# Altium PCB main.PcbDoc
Units mm, origin at the board's own origin, x right, y up, seen from the top; angles counter-clockwise.
Board outline 44.07 x 68.45 mm, 2 copper layers (Top Layer, Bottom Layer), stack 1.271 mm thick; 46 components, 48 nets, 172 pads, 58 vias.
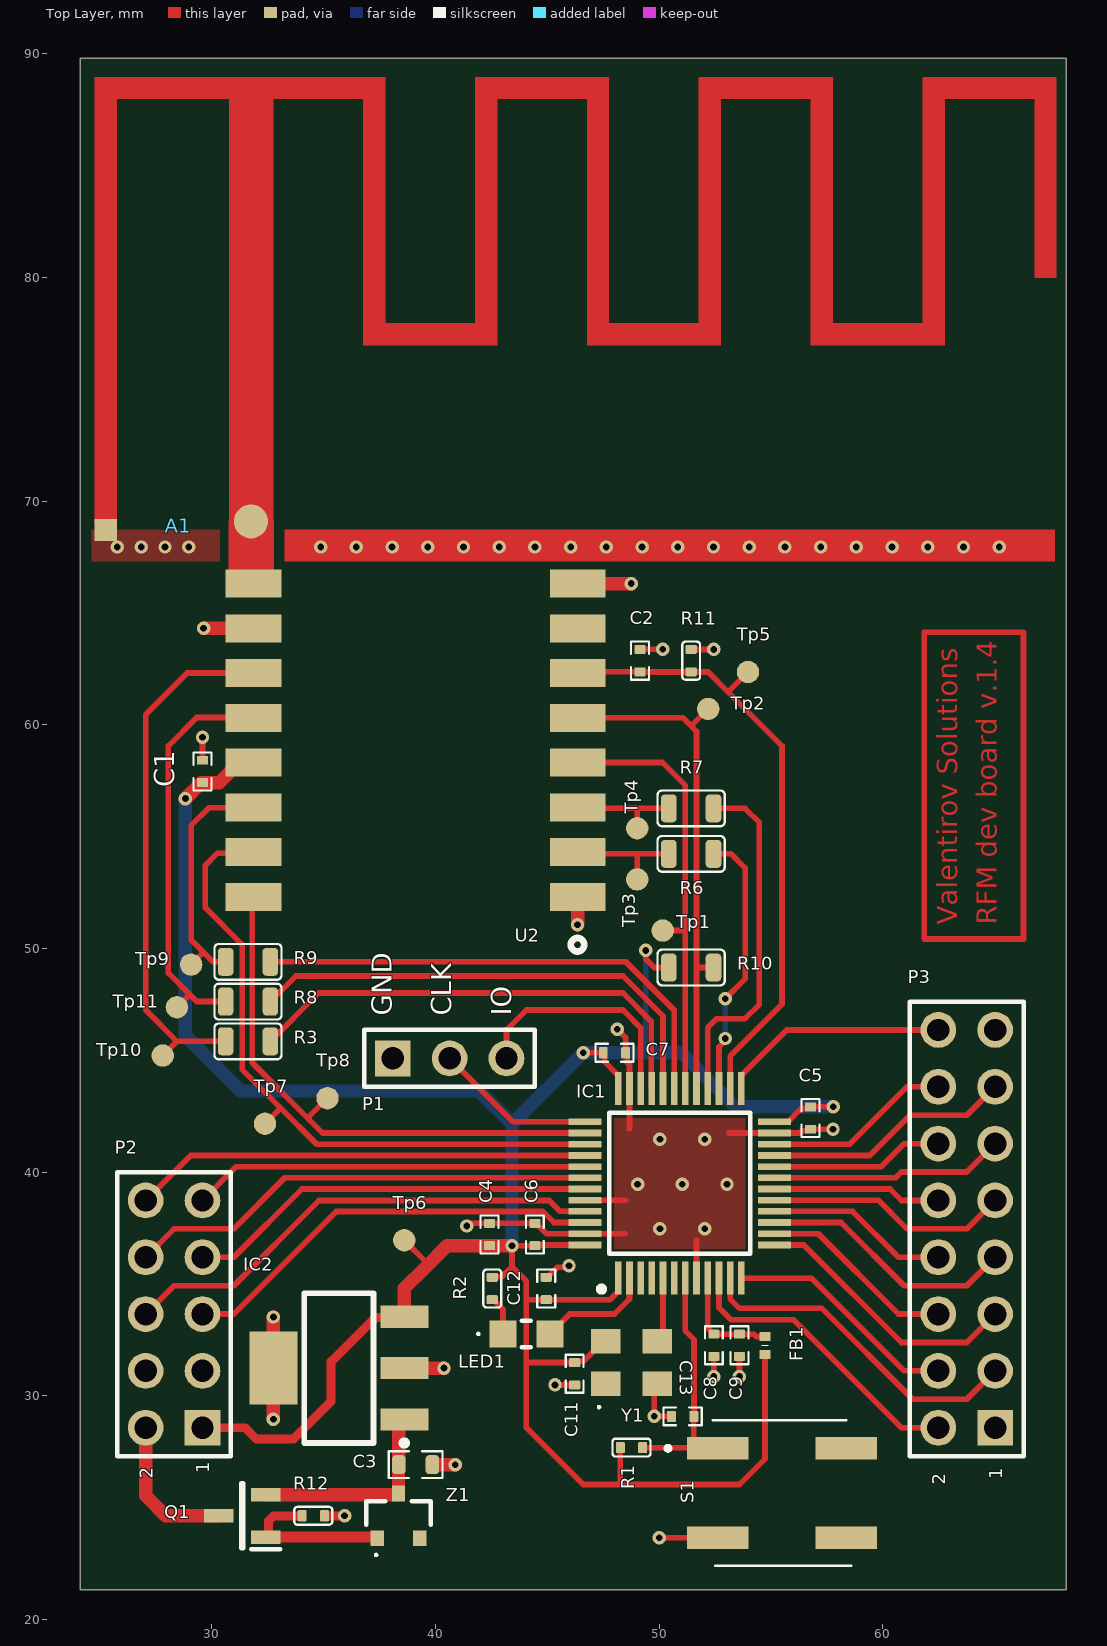
[diagram p0: Top Layer view]
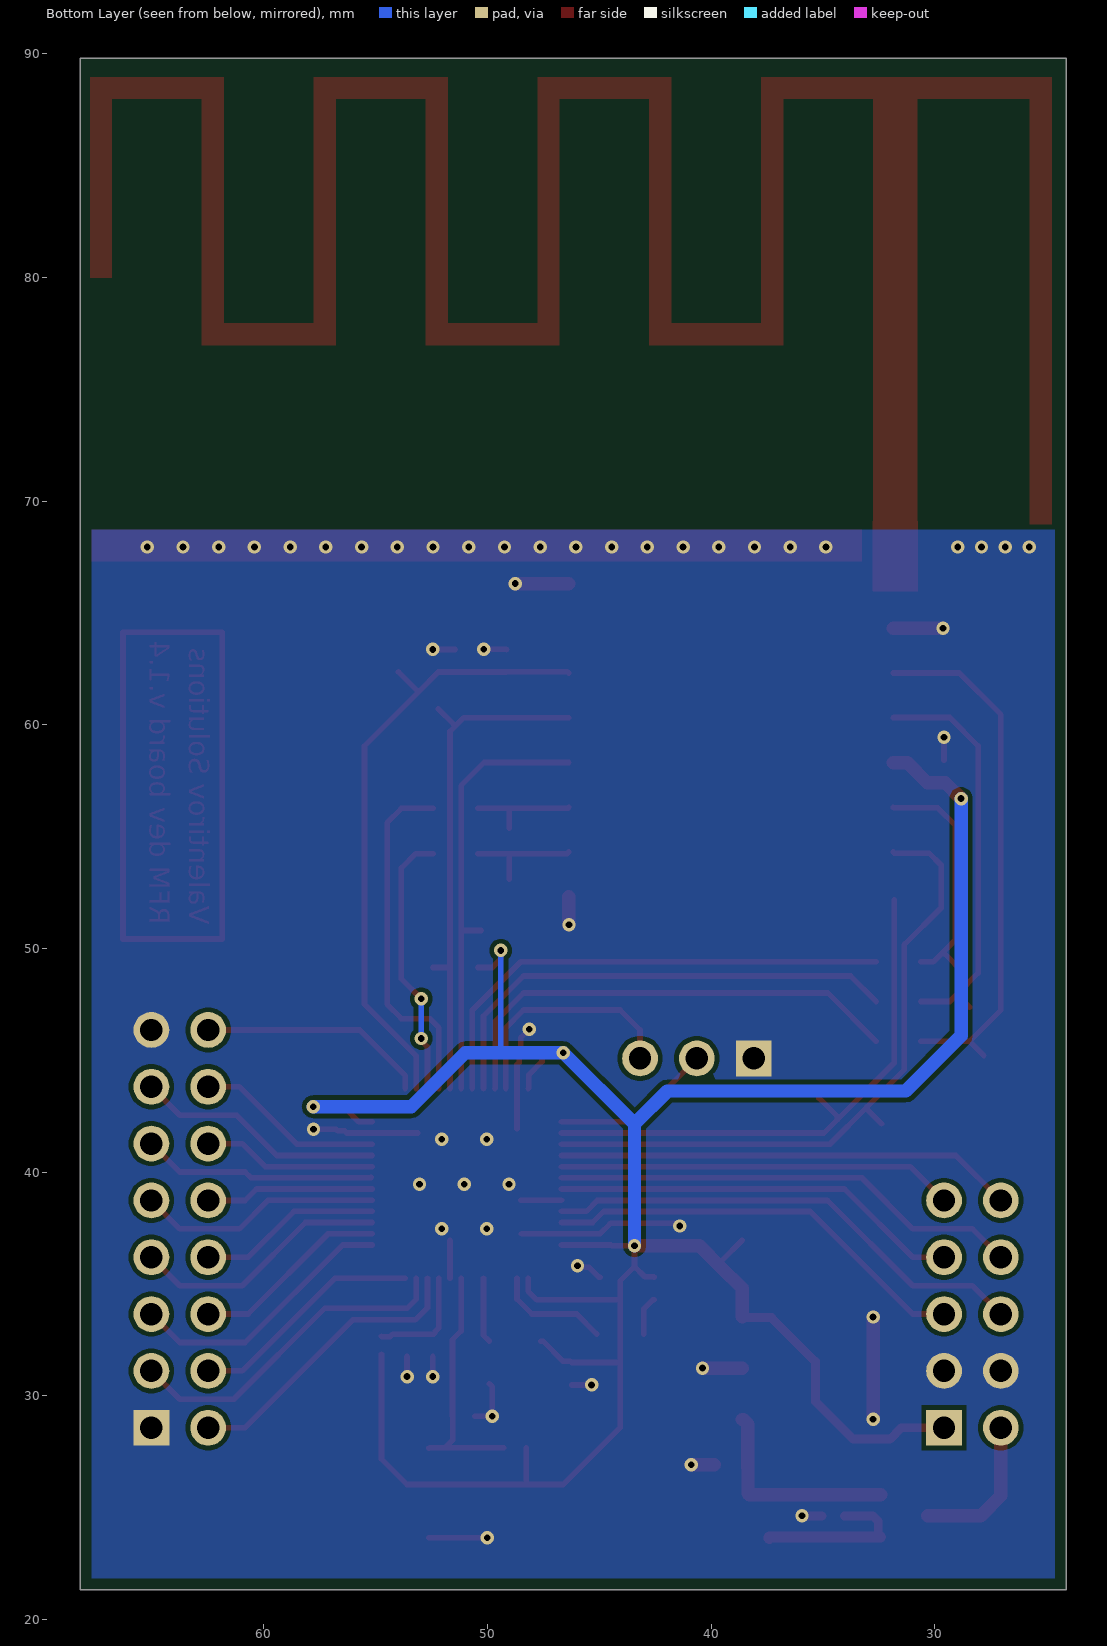
[diagram p1: Bottom Layer view, seen from below]
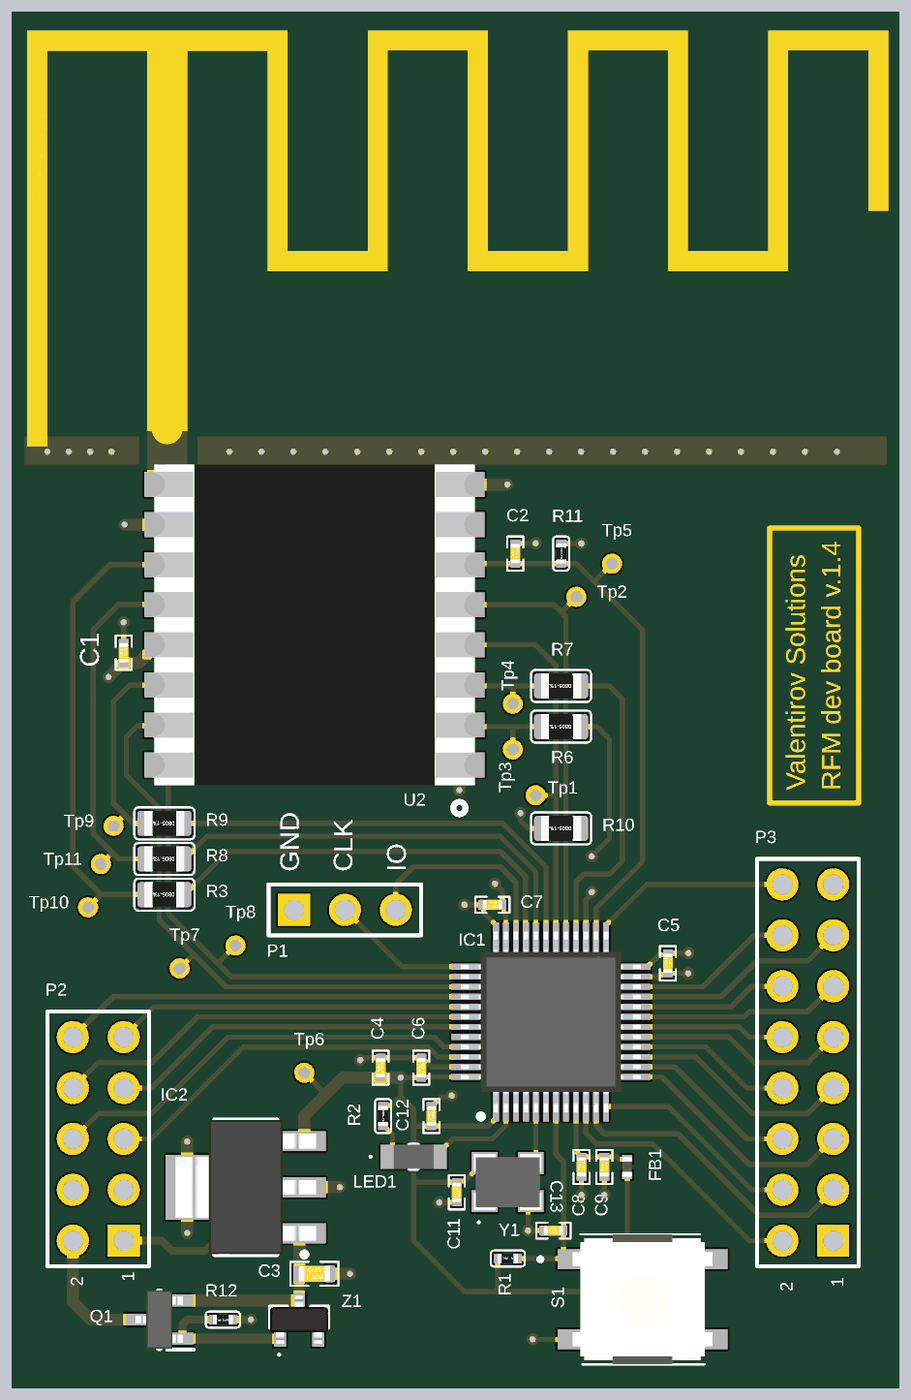
[diagram p2: 3D render of the assembled board from above, using the file's embedded part models]

## Layer stack, top to bottom
Top Solder: solder mask 0.0102, Solder Resist, Dk 3.5
Top Layer: signal copper 0.0356
Dielectric 1: dielectric 1.2, FR-4, Dk 4.6
Bottom Layer: signal copper 0.0356
Bottom Solder: solder mask 0.0102, Solder Resist, Dk 3.5

## Board outline
68.199,21.336 24.13,21.336 24.13,89.789 68.199,89.789

## Design rules (kind name [scope] priority, off if disabled: settings)
Clearance [All] p1: gap=0.2 ignorepadtopadclearanceinfootprint=FALSE
PlaneConnect PlaneConnect_1 [InNet('GND')] p1: planeconnectstyle=Direct reliefexpansion=0.508 reliefentries=4 reliefconductorwidth=0.254 reliefairgap=0.254
PlaneConnect [All] p2: planeconnectstyle=Relief reliefexpansion=0.508 reliefentries=4 reliefconductorwidth=0.254 reliefairgap=0.254
PolygonConnect PolygonConnect_1 [InNet('GND') vs InNet('GND')] p1: connectstyle=Direct reliefconductorwidth=0.254 reliefentries=4 polygonreliefangle="90 Angle" airgapwidth=0.254
PolygonConnect [All] p2: connectstyle=Relief reliefconductorwidth=0.254 reliefentries=4 polygonreliefangle="90 Angle" airgapwidth=0.254
RoutingVias [All] p1: holewidth=0.3 width=0.6 viastyle="Through Hole" minholewidth=0.3 minwidth=0.6 maxholewidth=0.7 maxwidth=1.27
SolderMaskExpansion [All] p1: expansion=0.102 istentingtop=FALSE
Width Width_power [InNet('+3.3V')] p1: maxlimit=1 minlimit=0.254 preferedwidth=0.5 minimp=50.000000 maximp=50.000000 favimp=50.000000
Width [All] p2: maxlimit=1.6 minlimit=0.254 preferedwidth=0.254 bottomlayer_maxwidth=0.254 minimp=50.000000 maximp=50.000000 favimp=50.000000
29 further rules are at their usual default settings.

## Components (designator, comment, footprint, x,y, rotation, side; value= is the part's Value field where it differs from the comment)
A1 "Inverted F antenna" Invertef_F-footprint 24.773,68.961 r0 top net-tie
C1 "100n" "C 0402(1005)x0.5" 29.591,57.912 r90 top
C2 "680p" "C 0402(1005)x0.5" 49.149,62.865 r90 top
C3 "470n" "C 0603(1608)x0.8" 39.116,26.924 r0 top
C4 "10u" "C 0402(1005)x0.5" 42.418,37.211 r90 top
C5 "100n" "C 0402(1005)x0.5" 56.769,42.418 r270 top
C6 "100n" "C 0402(1005)x0.5" 44.45,37.211 r90 top
C7 "100n" "C 0402(1005)x0.5" 48.006,45.339 r0 top
C8 "100n" "C 0402(1005)x0.5" 52.451,32.258 r270 top
C9 "1u" "C 0402(1005)x0.5" 53.594,32.258 r270 top
C11 "100n" "C 0402(1005)x0.5" 46.228,30.988 r270 top
C12 "100n" "C 0402(1005)x0.5" 44.958,34.798 r90 top
C13 "100n" "C 0402(1005)x0.5" 51.054,29.083 r180 top
FB1 "BLM15PE600SH1D" NFZ15SG152SN10B 54.737,32.258 r270 top
IC1 "STM32L4Q5CGT6" QFP50P900X900X160-48N 50.927,39.497 r90 top
IC2 "LDO" SOT230P700X180-4N 35.687,31.242 r180 top
LED1 "SM0805UOC" SM0805UOC 44.069,32.766 r270 top
P1 "Header 3" HDR1X3 38.1,45.085 r0 top locked
P2 "Header 5X2" HDR2X5 29.591,28.575 r90 top locked
P3 "Header 8X2" HDR2X8 65.024,28.575 r90 top locked
Q1 "IRLML6401TRPBF" SOT95P237X112-3N 31.369,24.638 r180 top
R1 "10k" "R 0402(1005)-1%" 48.768,27.686 r0 top
R2 "100" "R 0402(1005)-1%" 42.545,34.798 r270 top
R3 "0" "R 0805(2012)-1%" 31.623,45.847 r180 top
R6 "0" "R 0805(2012)-1%" 51.435,54.229 r180 top
R7 "0" "R 0805(2012)-1%" 51.435,56.261 r180 top
R8 "0" "R 0805(2012)-1%" 31.623,47.625 r180 top
R9 "0" "R 0805(2012)-1%" 31.623,49.403 r180 top
R10 "100k" "R 0805(2012)-1%" 51.435,49.149 r180 top
R11 "100k" "R 0402(1005)-1%" 51.435,62.865 r270 top
R12 "1k" "R 0402(1005)-1%" 34.544,24.638 r180 top
S1 "B3SL-1002P" B3SL1002P 55.499,25.654 r180 top
Tp1 "Tp" Tp-0.5 50.165,50.8 r90 top
Tp2 "Tp" Tp-0.5 52.197,60.706 r90 top
Tp3 "Tp" Tp-0.5 49.022,53.086 r0 top
Tp4 "Tp" Tp-0.5 49.022,55.372 r0 top
Tp5 "Tp" Tp-0.5 53.975,62.357 r90 top
Tp6 "Tp" Tp-0.5 38.608,36.957 r90 top
Tp7 "Tp" Tp-0.5 32.385,42.164 r90 top
Tp8 "Tp" Tp-0.5 35.179,43.307 r90 top
Tp9 "Tp" Tp-0.5 29.083,49.276 r90 top
Tp10 "Tp" Tp-0.5 27.813,45.212 r90 top
Tp11 "Tp" Tp-0.5 28.448,47.371 r90 top
U2 "HopeRF Electronics RFM69" CAC-200P1600X1600-16N 39.116,59.309 r180 top locked
Y1 "ECS-TXO-3225MV-240-TR" ECSTXO3225MV240TR 48.768,31.496 r0 top
Z1 "BZX84-C20,215" BZX84C20215 38.354,24.638 r0 top

## Footprints (in the part's own frame and the unit in brackets; to place one, negate y for a bottom-side part, rotate by r counter-clockwise, add the part's x,y. Pads: shape width x height; smd on the part's side, far side on the other; paste and mask are expansions set on the pad)
B3SL1002P [mm]
  rect 2.75x1 smd: 1(2.875,-2) 2(-2.875,-2) 3(2.875,2) 4(-2.875,2)
  silkscreen extent -3.1,-3.25 5.2,3.25, body extent -3.5,-3.25 3.5,3.25, height 3.4
BZX84C20215 [mm]
  rect 0.6x0.7 smd: 1(-0.95,-1) 2(0.95,-1) 3(0,1)
  silkscreen extent -1.45,-1.8 1.45,0.65, body extent -1.45,-1.2 1.45,1.2, height 0.95
"C 0402(1005)x0.5" [mm]
  rrect25% 0.4x0.5 smd mask+0.102: 1(-0.5,0) 2(0.5,0)
  silkscreen extent -0.85,-0.4 0.85,0.4, body extent -0.5,-0.25 0.5,0.25, height 0.51
"C 0603(1608)x0.8" [mm]
  rrect50% 0.6x0.85 smd: 1(-0.75,0) 2(0.75,0)
  silkscreen extent -1.2,-0.6 1.2,0.6, body extent -0.8,-0.4 0.8,0.4, height 0.81
CAC-200P1600X1600-16N [mm] "Chip Array, Concave, 16-Leads, Pitch 2.00mm,  Body 16.00x16.00mm,  IPC Medium Density"
  rect 2.5x1.25 smd: 1(-7.25,7) 2(-7.25,5) 3(-7.25,3) 4(-7.25,1) 5(-7.25,-1) 6(-7.25,-3) 7(-7.25,-5) 8(-7.25,-7) 9(7.25,-7) 10(7.25,-5) 11(7.25,-3) 12(7.25,-1) 13(7.25,1) 14(7.25,3) 15(7.25,5) 16(7.25,7)
  silkscreen extent -7.54,8.84 -6.94,9.44, body extent -8.05,-8 8.05,8, height 1.8
ECSTXO3225MV240TR [mm]
  rect 1.3x1.1 smd: 1(-1.15,-0.95) 2(1.15,-0.95) 3(1.15,0.95) 4(-1.15,0.95)
  silkscreen extent -1.5,-2.05 -1.4,-1.95, body extent -1.69,-1.39 1.69,1.39, height 1.3
HDR1X3 [mm] "Connector; Header; 3 Position"
  rect 1.6x1.6 hole 1: 1(0,0)
  round 1.6 hole 1: 2(2.54,0) 3(5.08,0)
  silkscreen extent -1.27,-1.27 6.35,1.27
HDR2X5 [mm] "Connector; Header; 5x2 Position"
  rect 1.6x1.6 hole 1: 1(0,0)
  round 1.6 hole 1: 2(0,2.54) 3(2.54,0) 4(2.54,2.54) 5(5.08,0) 6(5.08,2.54) 7(7.62,0) 8(7.62,2.54) 9(10.16,0) 10(10.16,2.54)
  silkscreen extent -1.27,-1.27 11.43,3.81
HDR2X8 [mm] "Connector; Header; 8x2 Position"
  rect 1.6x1.6 hole 1: 1(0,0)
  round 1.6 hole 1: 2(0,2.54) 3(2.54,0) 4(2.54,2.54) 5(5.08,0) 6(5.08,2.54) 7(7.62,0) 8(7.62,2.54) 9(10.16,0) 10(10.16,2.54) 11(12.7,0) 12(12.7,2.54) 13(15.24,0) 14(15.24,2.54) 15(17.78,0) 16(17.78,2.54)
  silkscreen extent -1.27,-1.27 19.05,3.81
Invertef_F-footprint [mil]
  round 60 smd paste-99999 mask+0: 1(275,5)
  rect 39.37x39.37 smd paste-99999 mask+0: 2(19.68,-10)
  Top Layer region: 1456.69,748.03 1692.91,748.03 1692.91,787.4 1456.69,787.4
  Top Layer region: 1259.84,314.96 1299.21,314.96 1299.21,787.4 1259.84,787.4
  Top Layer region: 669.29,314.96 708.66,314.96 708.66,787.4 669.29,787.4
  Top Layer region: 236.19,0.02 314.93,0.02 314.93,787.42 236.19,787.42
  Top Layer region: 669.29,748.03 905.51,748.03 905.51,787.4 669.29,787.4
  Top Layer region: 19.72,748.01 492.16,748.01 492.16,787.38 19.72,787.38
  Top Layer region: 1062.99,314.96 1102.36,314.96 1102.36,787.4 1062.99,787.4
  Top Layer region: 866.14,314.96 1102.36,314.96 1102.36,354.33 866.14,354.33
  Top Layer region: 472.44,314.96 511.81,314.96 511.81,787.4 472.44,787.4
  Top Layer region: 1653.54,433.07 1692.91,433.07 1692.91,787.4 1653.54,787.4
  Top Layer region: 1259.84,314.96 1496.06,314.96 1496.06,354.33 1259.84,354.33
  Top Layer region: 866.14,314.96 905.51,314.96 905.51,787.4 866.14,787.4
  Top Layer region: 1456.69,314.96 1496.06,314.96 1496.06,787.4 1456.69,787.4
  Top Layer region: 1062.99,748.03 1299.21,748.03 1299.21,787.4 1062.99,787.4
  Top Layer region: 472.44,314.96 708.66,314.96 708.66,354.33 472.44,354.33
  Top Layer region: 0,0 39.37,0 39.37,787.4 0,787.4
NFZ15SG152SN10B [mm]
  rect 0.4x0.5 smd: 1(-0.4,0) 2(0.4,0)
  silkscreen extent 0,-0.15 0,0.15, body extent -0.5,-0.25 0.5,0.25, height 0.5
QFP50P900X900X160-48N [mm]
  rect 1.475x0.3 smd: 1(-4.238,2.75) 2(-4.238,2.25) 3(-4.238,1.75) 4(-4.238,1.25) 5(-4.238,0.75) 6(-4.238,0.25) 7(-4.238,-0.25) 8(-4.238,-0.75) 9(-4.238,-1.25) 10(-4.238,-1.75) 11(-4.238,-2.25) 12(-4.238,-2.75) 25(4.238,-2.75) 26(4.238,-2.25) 27(4.238,-1.75) 28(4.238,-1.25) 29(4.238,-0.75) 30(4.238,-0.25) 31(4.238,0.25) 32(4.238,0.75) 33(4.238,1.25) 34(4.238,1.75) 35(4.238,2.25) 36(4.238,2.75)
  rect 0.3x1.475 smd: 13(-2.75,-4.238) 14(-2.25,-4.238) 15(-1.75,-4.238) 16(-1.25,-4.238) 17(-0.75,-4.238) 18(-0.25,-4.238) 19(0.25,-4.238) 20(0.75,-4.238) 21(1.25,-4.238) 22(1.75,-4.238) 23(2.25,-4.238) 24(2.75,-4.238) 37(2.75,4.238) 38(2.25,4.238) 39(1.75,4.238) 40(1.25,4.238) 41(0.75,4.238) 42(0.25,4.238) 43(-0.25,4.238) 44(-0.75,4.238) 45(-1.25,4.238) 46(-1.75,4.238) 47(-2.25,4.238) 48(-2.75,4.238)
  silkscreen extent -4.85,-3.15 3.15,3.62, body extent -4.5,-4.5 4.5,4.5, height 1.6
"R 0402(1005)-1%" [mm]
  rrect25% 0.4x0.5 smd mask+0.102: 1(-0.5,0) 2(0.5,0)
  silkscreen extent -0.85,-0.4 0.85,0.4, body extent -0.5,-0.25 0.5,0.25, height 0.19
"R 0805(2012)-1%" [mm]
  rrect50% 0.7x1.25 smd: 1(-1,0) 2(1,0)
  silkscreen extent -1.5,-0.8 1.5,0.8, body extent -1,-0.62 1,0.63, height 0.6
SM0805UOC [mm]
  rect 1.2x1.2 smd: 1(0,-1.05) 2(0,1.05)
  silkscreen extent -0.6,-2.2 0.6,0.2, body extent -0.6,-1 0.6,1, height 1.15
SOT95P237X112-3N [mm]
  rect 1.3x0.6 smd: 1(-1.05,0.95) 2(-1.05,-0.95) 3(1.05,0)
  silkscreen extent -1.7,-1.46 0.05,1.5, body extent -1.18,-1.46 1.18,1.46, height 1.12
SOT230P700X180-4N [mm]
  rect 2.15x1 smd: 1(-2.925,2.3) 2(-2.925,0) 3(-2.925,-2.3)
  rect 2.15x3.25 smd: 4(2.925,0)
  silkscreen extent -3.05,-3.35 1.55,3.47, body extent -3.5,-3.35 3.5,3.35, height 1.8
Tp-0.5 [mm]
  round 1 smd paste-0.2: 1(0,0)

## Part data
A1: library part inverted_F
C1 C2 C4 C5 C6 C7 C8 C9 C11 C12 C13: library part "C 0402    16V X5R - 0*", "SMD 0402     16V X5R 10%", Manufacturer=Samsung, Package=0402, Package-mm=1005, TempCo=X5R, Temperature Range="-55°C ~ +85°C", Tolerance %=±20%, ComponentLink1Description="Datasheet Link", ComponentLink1URL=https://store.comet.bg/download-file.php?id=11, Mount Type=SMT, Published=07.04.2019, Publisher=Hefest, RoHS=Y, Supplier 1=Comet, Technology="Ceramic  MLCC", TYPE=Capacitors, VDC=16V
C3: library part "C 0603    50V X7R - 100n", "SMD 0603     50V X7R   5%", Manufacturer=Samsung, Package=0603, Package-mm=1608, Part Number=CL10B104JB8NNNC, Supplier Part Number 1="C0603 100nF 50V X7R 5% SAMSUNG", TempCo=X7R, Temperature Range="-55°C ~ +125°C", Tolerance %=±5%, ComponentLink1Description="Datasheet Link", ComponentLink1URL=https://store.comet.bg/download-file.php?id=11, Mount Type=SMT, Price=0.020, Published=07.04.2019, Publisher=Hefest, RoHS=Y, Supplier 1=Comet, Technology="Ceramic  MLCC", TYPE=Capacitors, VDC=50V
FB1: "Ferrite Bead", Manufacturer_Name="Murata Electronics", Mouser Part Number=81-BLM15PE600SH1D, Datasheet Link=https://www.murata.com/en-global/products/productdetail.aspx?cate=luNoiseSupprFilteChipFerriBead&partno=BLM15PE600SH1%23, Height=0.55mm, Manufacturer_Part_Number=BLM15PE600SH1D, Mouser Price/Stock=https://www.mouser.co.uk/ProductDetail/Murata-Electronics/BLM15PE600SH1D?qs=DRkmTr78QATf%2FmEselssqw%3D%3D
IC1: "Integrated Circuit", Manufacturer_Name=STMicroelectronics, Mouser Part Number=511-STM32L4Q5CGT6, Datasheet Link=https://www.st.com/resource/en/datasheet/stm32l4q5ag.pdf, Height=1.6mm, Manufacturer_Part_Number=STM32L4Q5CGT6, Mouser Price/Stock=https://www.mouser.co.uk/ProductDetail/STMicroelectronics/STM32L4Q5CGT6?qs=xZ%2FP%252Ba9zWqa0QI8asRSMRw%3D%3D
IC2: library part LM3940IMP-3.3, "LDO voltage regulator. In 4.5V - 5.5V. Out 3.3V", ComponentLink1Description=Datasheet, ComponentLink1URL=https://www.ti.com/lit/ds/symlink/lm3940.pdf, ComponentLink2Description=rcscomponents, ComponentLink2URL=https://www.rcscomponents.kiev.ua/product/lm3940imp-3-3-nopb_32246.html, ComponentLink3Description=Mouser, ComponentLink3URL=https://eu.mouser.com/ProductDetail/Texas-Instruments/LM3940IMP-3.3-NOPB?qs=QbsRYf82W3EIVCEt3IRFTQ%3D%3D&srsltid=AfmBOorg8hqzI-HA3PvQj6bcO1LosyJxFIDZmXf61J2HGG2munIuMdGH
LED1: "LED", Manufacturer_Name=Bivar, Mouser Part Number=749-SM0805UOC, Datasheet Link=https://www.bivar.com/parts_content/Datasheets/SM0805UOC.pdf, Height=1.054mm, Manufacturer_Part_Number=SM0805UOC, Mouser Price/Stock=https://www.mouser.co.uk/ProductDetail/Bivar/SM0805UOC?qs=jaLxTFIJCivUzv0TgwDi7A%3D%3D
P1: "Header, 3-Pin", LatestRevisionDate=17-Jul-2002, LatestRevisionNote="Re-released for DXP Platform.", Publisher="Altium Limited"
P2: "Header, 5-Pin, Dual row", LatestRevisionDate=17-Jul-2002, LatestRevisionNote="Re-released for DXP Platform.", Publisher="Altium Limited"
P3: "Header, 8-Pin, Dual row", LatestRevisionDate=17-Jul-2002, LatestRevisionNote="Re-released for DXP Platform.", Publisher="Altium Limited"
Q1: "Transistor", Manufacturer_Name=Infineon, Mouser Part Number=942-IRLML6401TRPBF, Arrow Part Number=IRLML6401TRPBF, Arrow Price/Stock=https://www.arrow.com/en/products/irlml6401trpbf/infineon-technologies-ag?region=europe, Datasheet Link=https://www.infineon.com/dgdl/irlml6401pbf.pdf?fileId=5546d462533600a401535668b96d2634, Height=1.12mm, Manufacturer_Part_Number=IRLML6401TRPBF, Mouser Price/Stock=https://www.mouser.co.uk/ProductDetail/Infineon-Technologies/IRLML6401TRPBF?qs=9%252BKlkBgLFf1wviSVMCNr8A%3D%3D
R1 R2 R11 R12: library part "R 0402-1%", "SMD 0402 0.063W 1%   50V", Manufacturer=YAGEO, Package=0402, Package-mm=1005, Power=0.0625W, Supplier Part Number 1="R0402 1.0K 1% YAG/ASJ", TempCo=±100ppm/°C, Temperature Range="-55°C ~ +155°C", Tolerance %=±1%, Value Code=1001, ComponentLink1Description="Datasheet Link", ComponentLink1URL=https://store.comet.bg/download-file.php?id=1224, Mount Type=SMT, Price=0.015, Published=07.04.2019, Publisher=Hefest, RoHS=Y, Supplier 1=Comet, Technology="Thick film", TYPE=Resistor, VDC=50V
R3 R6 R7 R8 R9 R10: library part "R 0805-1%", "SMD 0805 0.125W 1% 150V", Manufacturer=YAGEO, Package=0805, Package-mm=2012, Power=0.125W, Supplier Part Number 1="R0805 1.0K 1% YAG/ASJ", TempCo=±100ppm/°C, Temperature Range="-55°C ~ +155°C", Tolerance %=±1%, Value Code=1001, ComponentLink1Description="Datasheet Link", ComponentLink1URL=https://store.comet.bg/download-file.php?id=1224, Mount Type=SMT, Price=0.031, Published=07.04.2019, Publisher=Hefest, RoHS=Y, Supplier 1=Comet, Technology="Thick film", TYPE=Resistor, VDC=150V
S1: "Switch", Manufacturer_Name="Omron Electronics", Mouser Part Number=653-B3SL-1002P, Arrow Part Number=B3SL-1002P, Arrow Price/Stock=https://www.arrow.com/en/products/b3sl-1002p/omron?region=nac, Datasheet Link=https://www.mouser.com/datasheet/2/307/en-b3sl-1093544.pdf, Height=3.8mm, Manufacturer_Part_Number=B3SL-1002P, Mouser Price/Stock=https://www.mouser.co.uk/ProductDetail/Omron-Electronics/B3SL-1002P?qs=h8kCHL4kpM7r31L1Z%2F%2FPBA%3D%3D
Tp1 Tp2 Tp3 Tp4 Tp5 Tp6 Tp7 Tp8 Tp9 Tp10 Tp11: "TestPoint", Mount Type=SMT, Package=TestPoint, Published=07.04.2019, Publisher=Hefest, Technology=PCB, TYPE=TestPoint
U2: library part RFM69
Y1: "Crystal or Oscillator", Manufacturer_Name=ECS, Mouser Part Number=520-TXO-3225MV-240-T, Arrow Part Number=ECS-TXO-3225MV-240-TR, Arrow Price/Stock=https://www.arrow.com/en/products/ecs-txo-3225mv-240-tr/ecs-international?region=nac, Datasheet Link=https://eu.mouser.com/datasheet/2/122/ECS-TXO-3225MV-1634330.pdf, Height=1.2mm, Manufacturer_Part_Number=ECS-TXO-3225MV-240-TR, Mouser Price/Stock=https://www.mouser.co.uk/ProductDetail/ECS/ECS-TXO-3225MV-240-TR?qs=d0WKAl%252BL4KYXn7UuwSFJGQ%3D%3D
Z1: "Zener Diode", Manufacturer_Name=Nexperia, Mouser Part Number=771-BZX84-C20-T/R, Arrow Part Number=BZX84-C20,215, Arrow Price/Stock=https://www.arrow.com/en/products/bzx84-c20215/nexperia, Datasheet Link=https://assets.nexperia.com/documents/data-sheet/BZX84_SER.pdf, Height=1.1mm, Manufacturer_Part_Number=BZX84-C20,215, Mouser Price/Stock=https://www.mouser.co.uk/ProductDetail/Nexperia/BZX84-C20215?qs=me8TqzrmIYUtilMGgZdKsw%3D%3D

## Via types
v1: diameter 0.6, hole 0.3, Top Layer to Bottom Layer, tented both sides, 58 vias

## Nets (pads, with @x,y where several pads share a name; then routed paths per layer and width w, separated by ;. In a path a pad name is that pad's centre, name@x,y a point inside that pad or via, vN(x,y) a via of type N, cw(c..) or ccw(c..) an arc to the next point about the centre after c; other vN are vias at no path point)
+3.3V: C1.1 C4.1 C5.1 C6.1 C7.1 C11.1 C12.1 FB1.2 IC1.1 IC1.24 IC1.36 IC1.48 IC2.3 P2.1 R1.1 R2.1 R10.2 Tp6.1 U2.13 Y1.4 | length 125.6
  Top Layer w0.254: Tp6.1 39.567,35.998 39.567,35.757 ; R2.1 42.571,35.324 42.97,35.324 43.426,35.78 ; v1(43.426,36.711) 43.426,35.78 ; v1@43.434,36.703 43.442,36.711 C6.1 44.486,36.747 IC1.48 ; v1(46.609,45.339) C7.1 47.559,45.286 47.559,44.94 48.154,44.346 48.154,43.758 IC1.36 ; Y1.4 47.518,32.446 46.62,31.548 46.288,31.548 C11.1 44.124,31.488 44.069,31.433 ; IC1.1 48.177,34.671 47.804,34.298 C12.1 44.077,34.298 44.069,34.29 ; R1.1 48.268,26.043 48.26,26.035 ; v1(49.403,49.911) 49.403,49.53 49.784,49.149 R10.2 ; FB1.2 54.737,27.178 53.594,26.035 48.26,26.035 ; IC1.24 55.753,42.247 56.351,42.845 56.696,42.845 C5.1 56.773,42.922 57.781,42.922 v1(57.785,42.926) ; 43.426,35.78 44.069,35.137 44.069,34.29 ; 44.069,31.433 44.069,34.29 ; 44.069,31.433 44.069,28.575 46.609,26.035 48.26,26.035
  Top Layer w0.4: P2.1 31.497,28.575 32.005,28.067 33.655,28.067 35.343,29.755 35.343,31.533 37.305,33.495 38.565,33.495 IC2.3
  Top Layer w0.5: v1(43.426,36.711) v1@43.434,36.703
  Top Layer w0.6: v1(28.829,56.7) 29.541,57.412 C1.1 30.344,57.412 31.241,58.309 U2.13 ; IC2.3 38.612,34.802 39.567,35.757 40.521,36.711 C4.1 v1(43.426,36.711)
  Bottom Layer w0.254: 49.403,45.339 v1(49.403,49.911)
  Bottom Layer w0.6: v1(28.829,56.7) 28.829,46.101 31.301,43.629 41.953,43.629 43.426,42.156 ; v1(43.426,36.711) 43.426,42.156 ; v1(57.785,42.926) 53.404,42.926 50.991,45.339 49.403,45.339 v1(46.609,45.339) 43.426,42.156
+5V: P2.2 Q1.3 | length 6.7
  Top Layer w0.6: P2.2 27.051,25.527 27.94,24.638 Q1.3
DIO0: R9.2 Tp9.1 U2.14 | length 11
  Top Layer w0.254: Tp9.1 29.575,49.768 29.575,49.895 ; R9.2 30.067,49.403 29.575,49.895 ; U2.14 31.849,56.292 29.876,56.292 29.083,55.499 29.083,50.387 29.575,49.895
DIO1: IC1.39 Tp7.1 U2.15 | length 29.9
  Top Layer w0.254: U2.15 31.817,54.26 30.257,54.26 29.718,53.721 29.718,51.816 31.362,50.172 31.362,44.584 33.03,42.916 ; Tp7.1 33.03,42.809 33.03,42.916 ; IC1.39 34.699,41.247 33.03,42.916
DIO2: IC1.38 Tp8.1 U2.16 | length 24.8
  Top Layer w0.254: U2.16@31.816,52.182 31.816,44.892 34.354,42.355 ; Tp8.1 34.354,42.482 34.354,42.355 ; IC1.38 34.961,41.747 34.354,42.355
DIO3: R3.2 Tp10.1 U2.11 | length 23.8
  Top Layer w0.254: Tp10.1 28.384,45.783 28.448,45.847 ; R3.2 28.765,45.847 28.448,45.847 ; U2.11 28.908,62.309 27.051,60.452 27.051,47.244 28.448,45.847
DIO4: R8.2 Tp11.1 U2.12 | length 18.4
  Top Layer w0.254: Tp11.1 29.02,47.942 ; R8.2 29.337,47.625 29.02,47.942 ; U2.12 31.85,60.325 29.337,60.325 28.067,59.055 28.067,48.895 29.02,47.942
GND: A1.2 C1.2 C2.2 C3.2 C4.2 C5.2 C6.2 C7.2 C8.2 C9.2 C11.2 C12.2 C13.2 IC1.8 IC1.23 IC1.35 IC1.44 IC1.47 IC2.2 IC2.4 P1.1 P2.3 P2.4 P3.1 P3.15 R11.1 R12.1 S1.3 U2.1 U2.8 U2.10 Y1.2 | length 46.2
  Top Layer w0.254: C1.2 v1(29.591,59.436) ; v1(41.402,37.592) 41.496,37.592 41.615,37.711 C4.2 C6.2 44.5,37.711 44.964,37.247 IC1.47 48.478,37.247 ; C12.2 45.008,35.298 45.458,35.748 45.908,35.748 v1(45.974,35.814) ; v1(45.347,30.488) C11.2 ; IC1.44 48.502,38.747 ; v1(48.133,46.388) 48.506,46.015 C7.2 48.579,45.266 48.579,44.896 48.677,44.798 48.677,41.946 ; C2.2 49.157,63.373 49.161,63.369 50.161,63.369 v1(50.165,63.373) ; Y1.2 49.784,30.412 v1(49.784,29.083) C13.2 ; v1(50.006,23.654) S1.3 ; R11.1 v1(52.443,63.365) ; IC1.8 51.677,36.945 ; v1(52.451,30.861) C8.2 ; 53.122,41.747 IC1.23 56.284,41.747 56.382,41.845 56.696,41.845 C5.2 v1(57.777,41.918) ; v1(53.594,30.861) C9.2
  Top Layer w0.4: R12.1 v1(35.941,24.638)
  Top Layer w0.6: v1(29.638,64.309) U2.10 ; v1(32.762,28.96) IC2.4 v1(32.762,33.524) ; IC2.2 v1(40.386,31.242) ; C3.2 v1(40.894,26.924) ; v1(46.355,51.054) 46.366,51.065 U2.1 ; U2.8 v1(48.753,66.309)
  other v1: 50.038,37.465 52.038,37.465 49.038,39.465 51.038,39.465 53.038,39.465 50.038,41.465 52.038,41.465 25.781,67.945 26.848,67.945 27.915,67.945 28.981,67.945 34.871,67.945 36.467,67.945 38.064,67.945 39.66,67.945 41.257,67.945 42.853,67.945 44.45,67.945 46.047,67.945 47.643,67.945 49.24,67.945 50.836,67.945 52.433,67.945 54.029,67.945 55.626,67.945 57.223,67.945 58.819,67.945 60.416,67.945 62.012,67.945 63.609,67.945 65.205,67.945
NetA1_1: A1.1 U2.9
NetC3_1: C3.1 IC2.1 Q1.2 Z1.3 | length 9.4
  Top Layer w0.254: Z1.3@38.329,25.613 Z1.3
  Top Layer w0.6: Q1.2 38.304,25.588 Z1.3@38.329,25.613 ; Z1.3 38.354,26.787 38.366,26.799 C3.1 38.366,28.742 38.566,28.942 IC2.1
NetC8_1: C8.1 C9.1 FB1.1 IC1.9 | length 5
  Top Layer w0.254: IC1.9 52.177,33.032 52.328,32.881 52.328,32.831 52.401,32.758 C8.1 C9.1 54.237,32.758 54.356,32.639 54.718,32.639 FB1.1
NetIC1_2: IC1.2 LED1.2 | length 5.1
  Top Layer w0.256: LED1.2 46.008,33.655 48.006,33.655 48.677,34.326 IC1.2
NetIC1_27: IC1.27 R6.1 | length 12
  Top Layer w0.254: R6.1 53.213,54.229 53.848,53.594 53.848,48.641 v1(52.959,47.752) ; IC1.27 52.677,45.598 52.959,45.88 v1(52.959,45.974)
  Bottom Layer w0.254: v1(52.959,45.974) v1(52.959,47.752)
NetIC1_28: IC1.28 R7.1 | length 15.9
  Top Layer w0.254: IC1.28 52.177,46.462 52.578,46.863 53.848,46.863 54.483,47.498 54.483,55.626 53.848,56.261 R7.1
NetIC1_31: IC1.31 R9.1 | length 22.5
  Top Layer w0.254: R9.1 48.514,49.403 50.677,47.24 IC1.31
NetIC1_32: IC1.32 R8.1 | length 22
  Top Layer w0.254: R8.1 33.766,48.768 48.387,48.768 50.177,46.978 IC1.32
NetIC1_33: IC1.33 R3.1 | length 21.5
  Top Layer w0.254: R3.1 34.782,48.006 48.387,48.006 49.654,46.739 49.654,43.758 IC1.33
NetLED1_1: LED1.1 R2.2 | length 1.8
  Top Layer w0.256: R2.2 42.595,34.298 43.019,33.874 LED1.1
NetQ1_1: Q1.1 R12.2 Z1.1 | length 7.4
  Top Layer w0.4: Q1.1 32.432,23.688 32.532,23.788 32.532,24.404 32.766,24.638 R12.2
  Top Layer w0.5: Q1.1@32.432,23.688 37.404,23.688 Z1.1
NRST: C13.1 IC1.7 R1.2 S1.1 | length 11.2
  Top Layer w0.254: R1.2 S1.1@51.895,27.686 ; IC1.7 51.177,32.897 51.562,32.512 51.562,29.091 C13.1 51.554,28.027 S1.1@51.895,27.686 ; S1.1 52.592,27.686 S1.1@51.895,27.686
OSC_IN: IC1.5 Y1.3 | length 2.9
  Top Layer w0.254: Y1.3 50.177,32.705 IC1.5
PA0: IC1.10 P3.2 | length 13.4
  Top Layer w0.254: IC1.10 52.677,33.937 53.213,33.401 56.007,33.401 60.833,28.575 P3.2
PA1: IC1.11 P3.3 | length 15.2
  Top Layer w0.254: IC1.11 53.177,34.326 53.594,33.909 57.277,33.909 61.341,29.845 63.754,29.845 P3.3
PA2: IC1.12 P3.4 | length 10.5
  Top Layer w0.254: IC1.12 56.816,35.259 60.96,31.115 P3.4
PA3: IC1.13 P3.5 | length 12.2
  Top Layer w0.254: IC1.13 56.471,36.747 60.833,32.385 63.754,32.385 P3.5
PA4: IC1.14 P3.6 | length 8.8
  Top Layer w0.254: IC1.14 57.114,37.247 60.706,33.655 P3.6
PA5: IC1.15 P3.7 | length 11.6
  Top Layer w0.254: IC1.15 58.138,37.747 60.96,34.925 63.754,34.925 P3.7
PA6: IC1.16 P3.8 | length 8.2
  Top Layer w0.254: IC1.16 58.654,38.247 60.706,36.195 P3.8
PA7: IC1.17 P3.9 | length 10.9
  Top Layer w0.254: IC1.17 59.805,38.747 61.087,37.465 63.754,37.465 P3.9
PB0: IC1.18 P3.10 | length 7.5
  Top Layer w0.254: IC1.18 60.321,39.247 60.833,38.735 P3.10
PB1: IC1.19 P3.11 | length 10.5
  Top Layer w0.254: IC1.19@55.188,39.77 55.211,39.747 60.575,39.747 60.833,40.005 63.754,40.005 P3.11
PB2: IC1.20 P3.12 | length 7.7
  Top Layer w0.254: IC1.20 59.932,40.247 60.96,41.275 P3.12
PB4: IC1.40 P2.10 | length 20.5
  Top Layer w0.254: P2.10 29.063,40.747 IC1.40
PB5: IC1.41 P2.9 | length 17.7
  Top Layer w0.254: P2.9 31.103,40.247 IC1.41
PB8: IC1.45 P2.6 | length 21.9
  Top Layer w0.254: P2.6 28.321,34.925 30.988,34.925 34.798,38.735 45.092,38.735 45.58,38.247 IC1.45
PB9: IC1.46 P2.5 | length 19.2
  Top Layer w0.254: P2.5 30.988,33.655 35.571,38.238 44.806,38.238 45.297,37.747 IC1.46
PB10: IC1.21 P3.13 | length 11.1
  Top Layer w0.254: IC1.21 59.416,40.747 61.214,42.545 63.754,42.545 P3.13
PB11: IC1.22 P3.14 | length 8.4
  Top Layer w0.254: IC1.22 58.519,41.247 61.087,43.815 P3.14
PB12: IC1.25 P3.16 | length 10.2
  Top Layer w0.254: IC1.25 53.677,44.323 55.709,46.355 P3.16
RFM_CS: IC1.29 R10.1 Tp2.1 U2.5 | length 23.4
  Top Layer w0.254: U2.5 51.07,60.309 51.374,60.005 ; IC1.29 51.677,49.149 ; Tp2.1 51.496,60.005 51.374,60.005 ; R10.1 51.677,49.149 ; 51.374,60.005 51.677,59.702 51.677,49.149
RFM_MISO: R6.2 Tp3.1 U2.2 | length 5.2
  Top Layer w0.254: U2.2 46.446,54.229 49.022,54.229 ; Tp3.1 49.022,54.229 ; R6.2 49.022,54.229
RFM_MOSI: R7.2 Tp4.1 U2.3 | length 5
  Top Layer w0.254: U2.3 46.414,56.261 49.022,56.261 ; Tp4.1 49.022,56.261 ; R7.2 49.022,56.261
RFM_RESET: C2.1 IC1.26 R11.2 Tp5.1 U2.6 | length 28.1
  Top Layer w0.254: U2.6 46.422,62.365 C2.1 49.157,62.357 52.197,62.357 53.086,61.468 ; IC1.26 53.177,45.181 55.499,47.503 55.499,59.055 53.086,61.468 ; Tp5.1 53.086,61.468
RFM_SCK: IC1.30 Tp1.1 U2.4 | length 19.7
  Top Layer w0.254: U2.4 50.149,58.309 51.177,57.281 51.177,50.8 ; Tp1.1@50.276,50.8 51.177,50.8 ; IC1.30 51.177,50.8
SWCLK: IC1.37 P1.2 | length 7.2
  Top Layer w0.254: P1.2 43.478,42.247 IC1.37
SWDIO: IC1.34 P1.3 | length 10.7
  Top Layer w0.254: P1.3 43.18,46.355 44.069,47.244 48.387,47.244 49.177,46.454 IC1.34
UART_RX: IC1.43 P2.7 | length 18.4
  Top Layer w0.254: P2.7 30.988,36.195 34.04,39.247 IC1.43
UART_TX: IC1.42 P2.8 | length 21.1
  Top Layer w0.254: P2.8 28.321,37.465 30.988,37.465 33.27,39.747 IC1.42
pads on no net: IC1.3 IC1.4 IC1.6 S1.2 S1.4 U2.7 Y1.1 Z1.2
copper on no net: | length 36.3
  Top Layer w0.254: 61.849,50.419 66.294,50.419 66.294,64.135 61.849,64.135 61.849,50.419

## Polygon pours and split planes (outlines as drawn)
GND on Top Layer "GND_L01_P002" (solid, pour order 2): 48.006,42.418 53.848,42.418 53.848,36.576 48.006,36.576
GND on Top Layer "GND_L01_P001" (solid, pour order 1): 24.638,68.707 30.353,68.707 30.353,67.31 24.638,67.31
GND on Bottom Layer "GND_L02_P000" (solid, pour order 0): 24.638,68.707 67.691,68.707 67.691,21.844 24.638,21.844

## Other copper
Top Layer:
  region net NetA1_1: 30.772,69.088 32.772,69.088 32.772,65.962 30.772,65.962
  region net GND: 33.274,68.707 33.274,67.31 67.691,67.31 67.691,68.707
  text "Valentirov Solutions" at 63.611,51.055 h1.52 r90
  text "RFM dev board v.1.4" at 65.389,51.054 h1.52 r90

## Silkscreen, mask and mechanical layers (free items; w line width, h text height)
Top Overlay:
  text "GND" at 38.338,46.99 h1.52 r90
  text "CLK" at 41.005,46.99 h1.52 r90
  text "IO" at 43.672,46.99 h1.52 r90
Top Solder:
  lines w0.254: 61.849,50.419 66.294,50.419 66.294,64.135 61.849,64.135 61.849,50.419
  text "Valentirov Solutions" at 63.611,51.055 h1.52 r90
  text "RFM dev board v.1.4" at 65.389,51.054 h1.52 r90
Board Shape:
  the board outline again, w0.254

## Text inside footprints (layer, text, board x,y; h text height)
P2: Top Overlay "2" at 27.559,26.303 h1 r90; Top Overlay "1" at 30.099,26.543 h1 r90
P3: Top Overlay "1" at 65.532,26.275 h1 r90; Top Overlay "2" at 62.992,26.035 h1 r90